# Altium PCB dvrk-s-pwm.PcbDoc (part 3 of 5)
Units mm, origin at the board's own origin, x right, y up, seen from the top; angles counter-clockwise.
Board outline 124 x 180 mm, 4 copper layers (Component Side, Ground Plane, Power Plane, Solder Side), stack 1.584 mm thick; 325 components, 238 nets, 1291 pads, 758 vias.
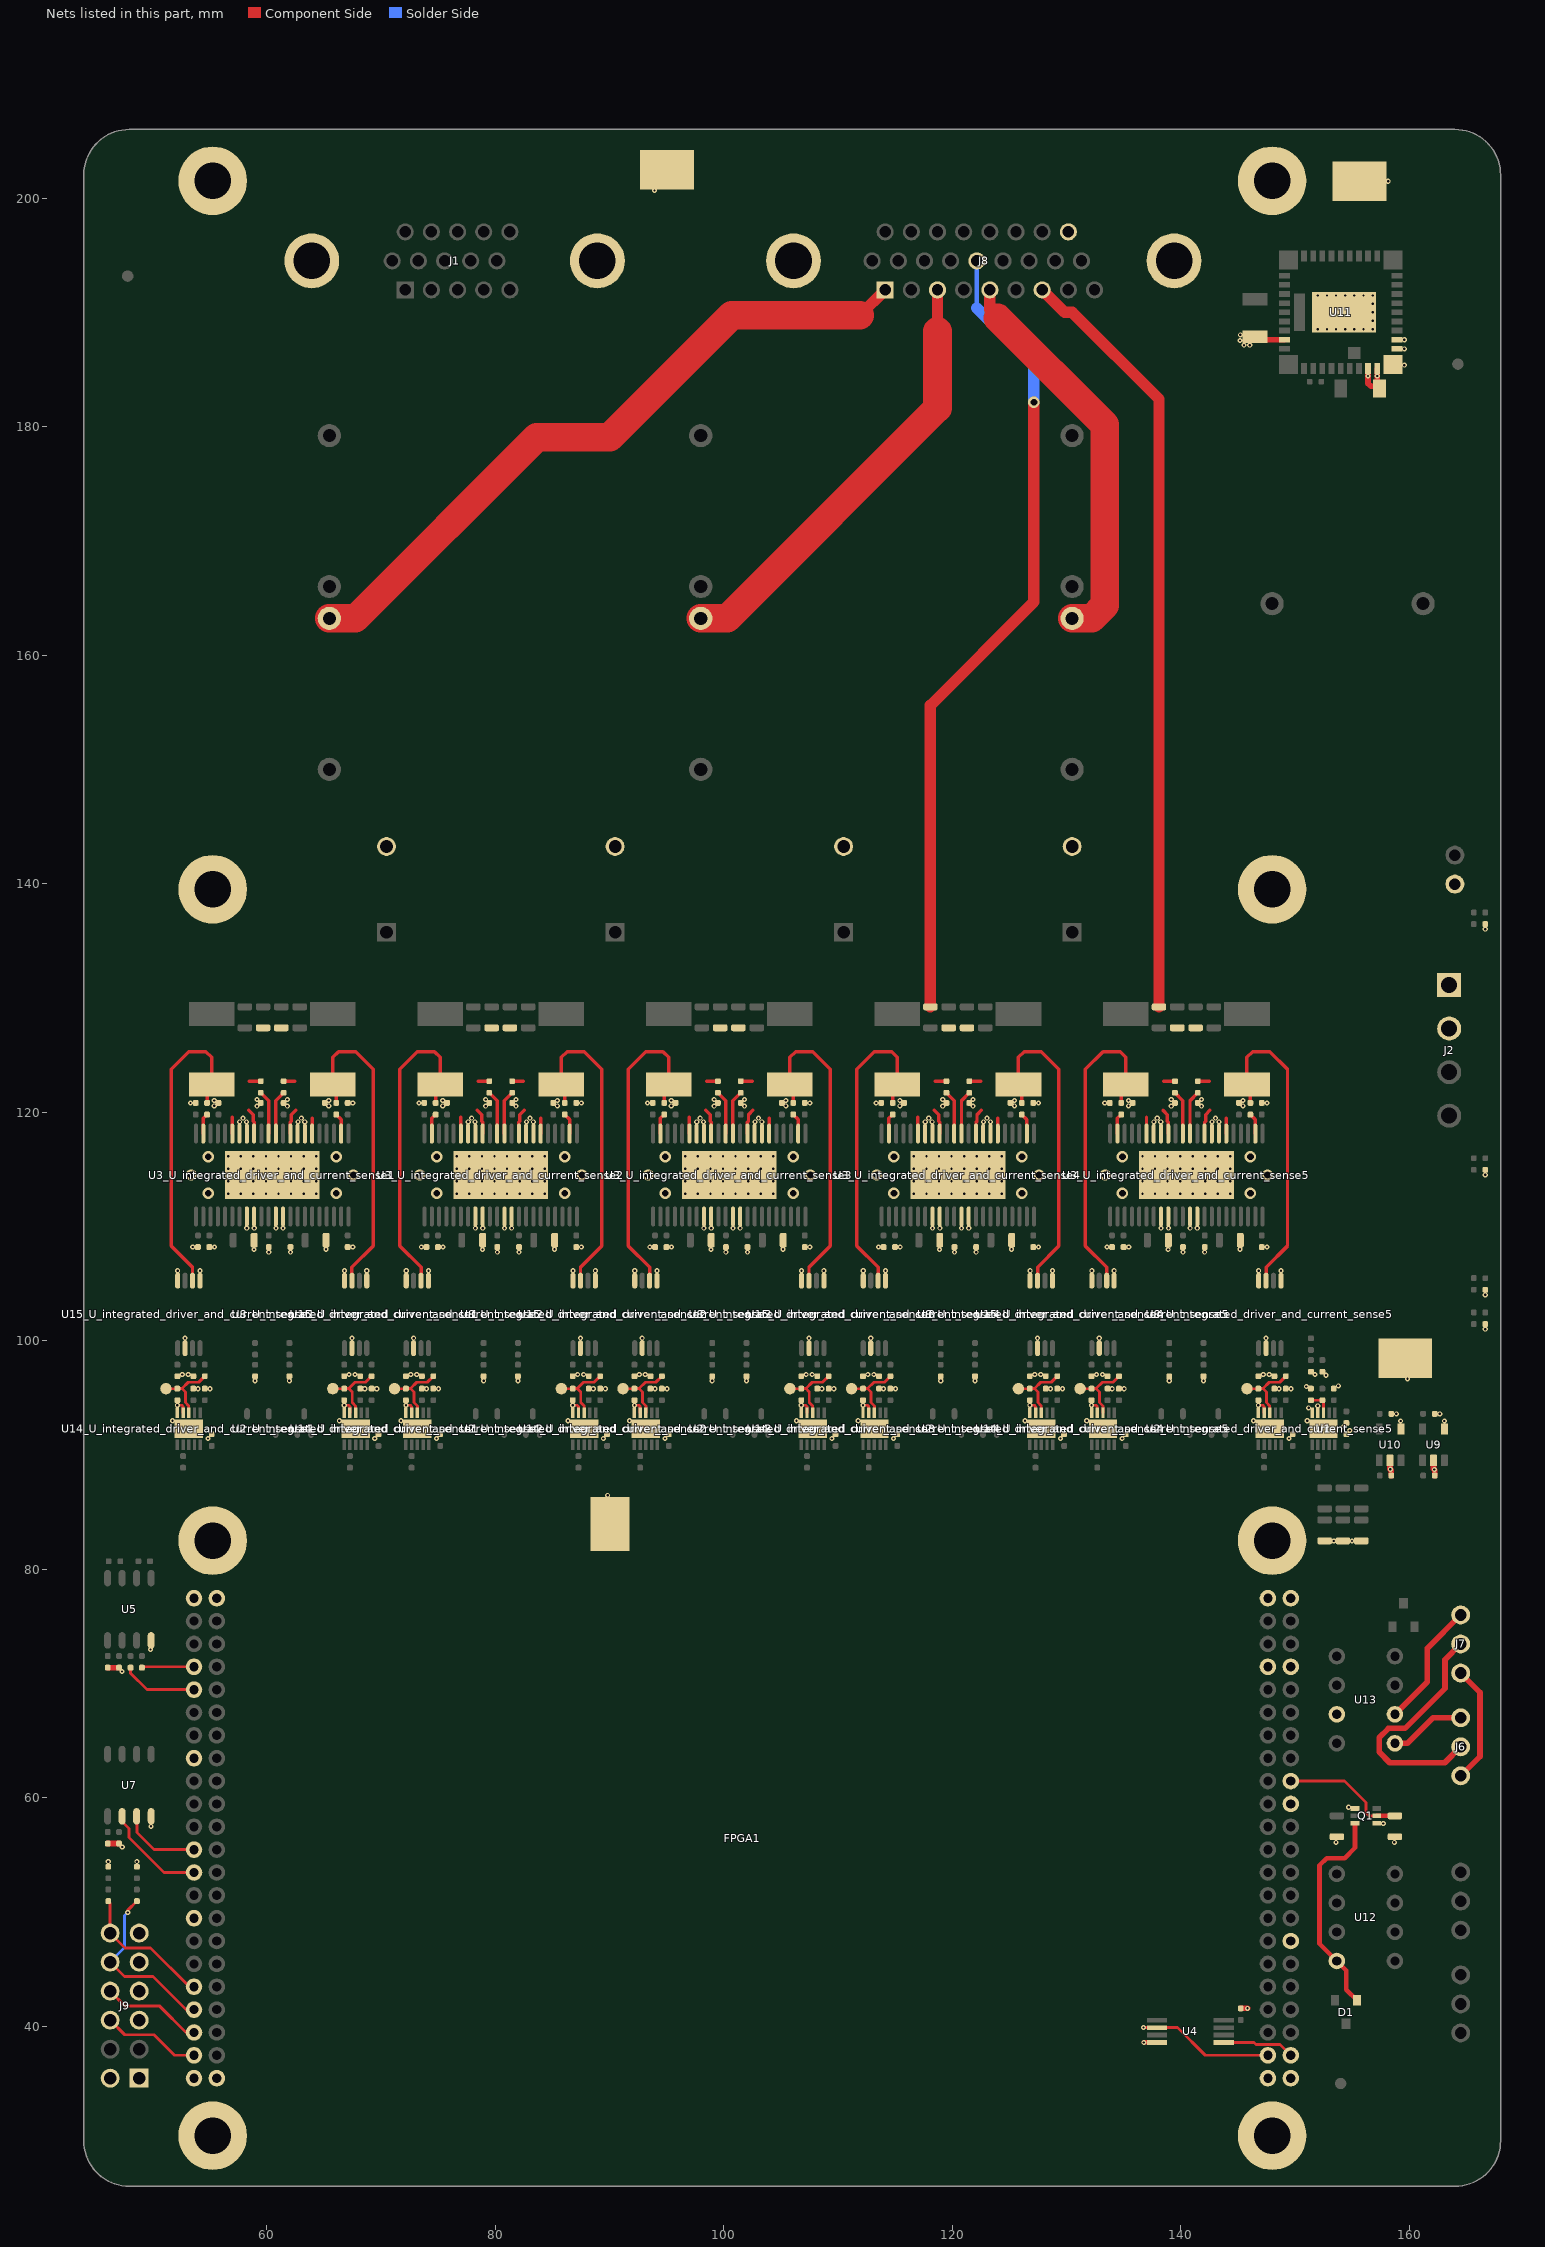
[diagram p5: the nets of this part, all layers, seen from the top]

## Via types
v1: diameter 0.45, hole 0.2, Component Side to Solder Side, tented both sides, 535 vias
v2: diameter 0.5, hole 0.2, Component Side to Solder Side, 186 vias
v3: diameter 1, hole 0.6, Component Side to Solder Side, tented both sides, 34 vias
v4: diameter 0.6, hole 0.3, Component Side to Solder Side, tented both sides, 3 vias

## Nets (pads, with @x,y where several pads share a name; then routed paths per layer and width w, separated by ;. In a path a pad name is that pad's centre, name@x,y a point inside that pad or via, vN(x,y) a via of type N, cw(c..) or ccw(c..) an arc to the next point about the centre after c; other vN are vias at no path point) (continued)
COIL2_P4: J8.14 L4_U_integrated_driver_and_current_sense4.2 | length 71.1
  Component Side w1: L4_U_integrated_driver_and_current_sense4.2@118.1,129.214 118.1,155.6 127.15,164.65 v3(127.15,182.125)
  Solder Side w0.4: 122.15,190.375 122.15,194.49 J8.14@122.16,194.5
  Solder Side w1: 122.15,190.375 127.15,185.375 v3(127.15,182.125)
COIL2_P5: J8.7 L4_U_integrated_driver_and_current_sense5.2 | length 67.4
  Component Side w1: J8.7@127.88,191.96 129.84,190 130.5,190 138.1,182.4 L4_U_integrated_driver_and_current_sense5.2@138.1,129.214
EXTRAIO1: FPGA1.47 J9.6 | length 8.6
  Component Side w0.25: J9.6@46.315,40.545 47.595,39.265 50.155,39.265 51.955,37.465 FPGA1.47@53.655,37.465
EXTRAIO2: FPGA1.49 J9.8 | length 8.8
  Component Side w0.25: J9.8@46.315,43.085 47.635,41.765 50.655,41.765 52.955,39.465 FPGA1.49@53.655,39.465
EXTRAIO3: FPGA1.51 J9.10 R33.2 | length 15.4
  Component Side w0.25: J9.10@46.315,45.625 47.575,44.365 50.055,44.365 52.955,41.465 FPGA1.51@53.655,41.465 ; v1(47.855,49.965) 47.855,50.157 R33.2@48.655,50.957
  Solder Side w0.25: J9.10@46.315,45.625 47.585,46.895 47.585,49.695 v1(47.855,49.965)
EXTRAIO4: FPGA1.53 J9.12 R34.2 | length 12.1
  Component Side w0.25: R34.2@46.155,50.957 46.315,50.797 J9.12@46.315,48.165 47.615,46.865 49.855,46.865 53.255,43.465 FPGA1.53@53.655,43.465
GND: C1.1 C2.1 C3.1 C4.1 C5_U_integrated_driver_and_current_sense1.1 C5_U_integrated_driver_and_current_sense2.1 C5_U_integrated_driver_and_current_sense3.1 C5_U_integrated_driver_and_current_sense4.1 C5_U_integrated_driver_and_current_sense5.1 C6_U_integrated_driver_and_current_sense1.1 C6_U_integrated_driver_and_current_sense2.1 C6_U_integrated_driver_and_current_sense3.1 C6_U_integrated_driver_and_current_sense4.1 C6_U_integrated_driver_and_current_sense5.1 C7_U_integrated_driver_and_current_sense1.1 C7_U_integrated_driver_and_current_sense2.1 C7_U_integrated_driver_and_current_sense3.1 C7_U_integrated_driver_and_current_sense4.1 C7_U_integrated_driver_and_current_sense5.1 C8_U_integrated_driver_and_current_sense1.1 C8_U_integrated_driver_and_current_sense2.1 C8_U_integrated_driver_and_current_sense3.1 C8_U_integrated_driver_and_current_sense4.1 C8_U_integrated_driver_and_current_sense5.1 C9_U_integrated_driver_and_current_sense1.1 C9_U_integrated_driver_and_current_sense2.1 C9_U_integrated_driver_and_current_sense3.1 C9_U_integrated_driver_and_current_sense4.1 C9_U_integrated_driver_and_current_sense5.1 C10_U_integrated_driver_and_current_sense1.1 C10_U_integrated_driver_and_current_sense2.1 C10_U_integrated_driver_and_current_sense3.1 C10_U_integrated_driver_and_current_sense4.1 C10_U_integrated_driver_and_current_sense5.1 C15_U_integrated_driver_and_current_sense1.2 C15_U_integrated_driver_and_current_sense2.2 C15_U_integrated_driver_and_current_sense3.2 C15_U_integrated_driver_and_current_sense4.2 C15_U_integrated_driver_and_current_sense5.2 C16_U_integrated_driver_and_current_sense1.2 C16_U_integrated_driver_and_current_sense2.2 C16_U_integrated_driver_and_current_sense3.2 C16_U_integrated_driver_and_current_sense4.2 C16_U_integrated_driver_and_current_sense5.2 C17_U_integrated_driver_and_current_sense1.2 C17_U_integrated_driver_and_current_sense2.2 C17_U_integrated_driver_and_current_sense3.2 C17_U_integrated_driver_and_current_sense4.2 C17_U_integrated_driver_and_current_sense5.2 C18_U_integrated_driver_and_current_sense1.2 C18_U_integrated_driver_and_current_sense2.2 C18_U_integrated_driver_and_current_sense3.2 C18_U_integrated_driver_and_current_sense4.2 C18_U_integrated_driver_and_current_sense5.2 C19_U_integrated_driver_and_current_sense1.2 C19_U_integrated_driver_and_current_sense2.2 C19_U_integrated_driver_and_current_sense3.2 C19_U_integrated_driver_and_current_sense4.2 C19_U_integrated_driver_and_current_sense5.2 C20_U_integrated_driver_and_current_sense1.2 C20_U_integrated_driver_and_current_sense2.2 C20_U_integrated_driver_and_current_sense3.2 C20_U_integrated_driver_and_current_sense4.2 C20_U_integrated_driver_and_current_sense5.2 C21_U_integrated_driver_and_current_sense1.2 C21_U_integrated_driver_and_current_sense2.2 C21_U_integrated_driver_and_current_sense3.2 C21_U_integrated_driver_and_current_sense4.2 C21_U_integrated_driver_and_current_sense5.2 C22_U_integrated_driver_and_current_sense1.2 C22_U_integrated_driver_and_current_sense2.2 C22_U_integrated_driver_and_current_sense3.2 C22_U_integrated_driver_and_current_sense4.2 C22_U_integrated_driver_and_current_sense5.2 C23_U_integrated_driver_and_current_sense1.2 C23_U_integrated_driver_and_current_sense2.2 C23_U_integrated_driver_and_current_sense3.2 C23_U_integrated_driver_and_current_sense4.2 C23_U_integrated_driver_and_current_sense5.2 C24_U_integrated_driver_and_current_sense1.2 C24_U_integrated_driver_and_current_sense2.2 C24_U_integrated_driver_and_current_sense3.2 C24_U_integrated_driver_and_current_sense4.2 C24_U_integrated_driver_and_current_sense5.2 C25.1 C26.1 C27.1 C28.1 C29_U_integrated_driver_and_current_sense1.1 C29_U_integrated_driver_and_current_sense2.1 C29_U_integrated_driver_and_current_sense3.1 C29_U_integrated_driver_and_current_sense4.1 C29_U_integrated_driver_and_current_sense5.1 C30_U_integrated_driver_and_current_sense1.1 C30_U_integrated_driver_and_current_sense2.1 C30_U_integrated_driver_and_current_sense3.1 C30_U_integrated_driver_and_current_sense4.1 C30_U_integrated_driver_and_current_sense5.1 C31.1 C32.1 C33.1 C34.1 C35.1 C36.2 C37.2 C38_U_integrated_driver_and_current_sense1.1 C38_U_integrated_driver_and_current_sense2.1 C38_U_integrated_driver_and_current_sense3.1 C38_U_integrated_driver_and_current_sense4.1 C38_U_integrated_driver_and_current_sense5.1 C39_U_integrated_driver_and_current_sense1.1 C39_U_integrated_driver_and_current_sense2.1 C39_U_integrated_driver_and_current_sense3.1 C39_U_integrated_driver_and_current_sense4.1 C39_U_integrated_driver_and_current_sense5.1 C40_U_integrated_driver_and_current_sense1.1 C40_U_integrated_driver_and_current_sense2.1 C40_U_integrated_driver_and_current_sense3.1 C40_U_integrated_driver_and_current_sense4.1 C40_U_integrated_driver_and_current_sense5.1 C41_U_integrated_driver_and_current_sense1.1 C41_U_integrated_driver_and_current_sense2.1 C41_U_integrated_driver_and_current_sense3.1 C41_U_integrated_driver_and_current_sense4.1 C41_U_integrated_driver_and_current_sense5.1 C42.2 C43.2 C44.2 C45.2 C46.1 D3_U_integrated_driver_and_current_sense1.2 D3_U_integrated_driver_and_current_sense2.2 D3_U_integrated_driver_and_current_sense3.2 D3_U_integrated_driver_and_current_sense4.2 D3_U_integrated_driver_and_current_sense5.2 D4_U_integrated_driver_and_current_sense1.2 D4_U_integrated_driver_and_current_sense2.2 D4_U_integrated_driver_and_current_sense3.2 D4_U_integrated_driver_and_current_sense4.2 D4_U_integrated_driver_and_current_sense5.2 D5.2 D6.2 D7.2 D8.2 D9.2 D10.2 FPGA1.1 FPGA1.2 FPGA1.14 FPGA1.26 FPGA1.37 FPGA1.38 FPGA1.43 FPGA1.44 FPGA1.45 FPGA1.46 FPGA1.59 FPGA1.73 FPGA1.87 FPGA1.88 J1.M1 J1.M2 J2.1 J2.2 J3.2 J8.26 J8.M1 J8.M2 J9.1 J9.2 J9.5 J9.7 J9.9 J9.11 pad.M Q1.1 Q1.4 R3_U_integrated_driver_and_current_sense1.2 R3_U_integrated_driver_and_current_sense2.2 R3_U_integrated_driver_and_current_sense3.2 R3_U_integrated_driver_and_current_sense4.2 R3_U_integrated_driver_and_current_sense5.2 R4_U_integrated_driver_and_current_sense1.1 R4_U_integrated_driver_and_current_sense2.1 R4_U_integrated_driver_and_current_sense3.1 R4_U_integrated_driver_and_current_sense4.1 R4_U_integrated_driver_and_current_sense5.1 R5_U_integrated_driver_and_current_sense1.1 R5_U_integrated_driver_and_current_sense2.1 R5_U_integrated_driver_and_current_sense3.1 R5_U_integrated_driver_and_current_sense4.1 R5_U_integrated_driver_and_current_sense5.1 R10.1 R12.1 R13.1 R19.1 R20.1 R21.1 TP1.1 TP2.1 TP3.1 TP4.1 U1.4 U1.5 U1.11 U2_U_integrated_driver_and_current_sense1.4 U2_U_integrated_driver_and_current_sense1.5 U2_U_integrated_driver_and_current_sense1.11 U2_U_integrated_driver_and_current_sense2.4 U2_U_integrated_driver_and_current_sense2.5 U2_U_integrated_driver_and_current_sense2.11 U2_U_integrated_driver_and_current_sense3.4 U2_U_integrated_driver_and_current_sense3.5 U2_U_integrated_driver_and_current_sense3.11 U2_U_integrated_driver_and_current_sense4.4 U2_U_integrated_driver_and_current_sense4.5 U2_U_integrated_driver_and_current_sense4.11 U2_U_integrated_driver_and_current_sense5.4 U2_U_integrated_driver_and_current_sense5.5 U2_U_integrated_driver_and_current_sense5.11 U3_U_integrated_driver_and_current_sense1.8 U3_U_integrated_driver_and_current_sense1.9 U3_U_integrated_driver_and_current_sense1.12 U3_U_integrated_driver_and_current_sense1.13 U3_U_integrated_driver_and_current_sense1.29 U3_U_integrated_driver_and_current_sense1.30 U3_U_integrated_driver_and_current_sense1.37 U3_U_integrated_driver_and_current_sense1.38 U3_U_integrated_driver_and_current_sense1.45 U3_U_integrated_driver_and_current_sense2.8 U3_U_integrated_driver_and_current_sense2.9 U3_U_integrated_driver_and_current_sense2.12 U3_U_integrated_driver_and_current_sense2.13 U3_U_integrated_driver_and_current_sense2.29 U3_U_integrated_driver_and_current_sense2.30 U3_U_integrated_driver_and_current_sense2.37 U3_U_integrated_driver_and_current_sense2.38 U3_U_integrated_driver_and_current_sense2.45 U3_U_integrated_driver_and_current_sense3.8 U3_U_integrated_driver_and_current_sense3.9 U3_U_integrated_driver_and_current_sense3.12 U3_U_integrated_driver_and_current_sense3.13 U3_U_integrated_driver_and_current_sense3.29 U3_U_integrated_driver_and_current_sense3.30 U3_U_integrated_driver_and_current_sense3.37 U3_U_integrated_driver_and_current_sense3.38 U3_U_integrated_driver_and_current_sense3.45 U3_U_integrated_driver_and_current_sense4.8 U3_U_integrated_driver_and_current_sense4.9 U3_U_integrated_driver_and_current_sense4.12 U3_U_integrated_driver_and_current_sense4.13 U3_U_integrated_driver_and_current_sense4.29 U3_U_integrated_driver_and_current_sense4.30 U3_U_integrated_driver_and_current_sense4.37 U3_U_integrated_driver_and_current_sense4.38 U3_U_integrated_driver_and_current_sense4.45 U3_U_integrated_driver_and_current_sense5.8 U3_U_integrated_driver_and_current_sense5.9 U3_U_integrated_driver_and_current_sense5.12 U3_U_integrated_driver_and_current_sense5.13 U3_U_integrated_driver_and_current_sense5.29 U3_U_integrated_driver_and_current_sense5.30 U3_U_integrated_driver_and_current_sense5.37 U3_U_integrated_driver_and_current_sense5.38 U3_U_integrated_driver_and_current_sense5.45 U4.4 U5.4 U7.4 U8_U_integrated_driver_and_current_sense1.1 U8_U_integrated_driver_and_current_sense1.4 U8_U_integrated_driver_and_current_sense1.6 U8_U_integrated_driver_and_current_sense2.1 U8_U_integrated_driver_and_current_sense2.4 U8_U_integrated_driver_and_current_sense2.6 U8_U_integrated_driver_and_current_sense3.1 U8_U_integrated_driver_and_current_sense3.4 U8_U_integrated_driver_and_current_sense3.6 U8_U_integrated_driver_and_current_sense4.1 U8_U_integrated_driver_and_current_sense4.4 U8_U_integrated_driver_and_current_sense4.6 U8_U_integrated_driver_and_current_sense5.1 U8_U_integrated_driver_and_current_sense5.4 U8_U_integrated_driver_and_current_sense5.6 U9.2 U9.4 U10.2 U10.4 U11.19 U11.29 U11.30 U11.31 U11.32 U11.33 U11.41 U13.3 U14_U_integrated_driver_and_current_sense1.4 U14_U_integrated_driver_and_current_sense1.5 U14_U_integrated_driver_and_current_sense1.11 U14_U_integrated_driver_and_current_sense2.4 U14_U_integrated_driver_and_current_sense2.5 U14_U_integrated_driver_and_current_sense2.11 U14_U_integrated_driver_and_current_sense3.4 U14_U_integrated_driver_and_current_sense3.5 U14_U_integrated_driver_and_current_sense3.11 U14_U_integrated_driver_and_current_sense4.4 U14_U_integrated_driver_and_current_sense4.5 U14_U_integrated_driver_and_current_sense4.11 U14_U_integrated_driver_and_current_sense5.4 U14_U_integrated_driver_and_current_sense5.5 U14_U_integrated_driver_and_current_sense5.11 U15_U_integrated_driver_and_current_sense1.1 U15_U_integrated_driver_and_current_sense1.4 U15_U_integrated_driver_and_current_sense1.6 U15_U_integrated_driver_and_current_sense2.1 U15_U_integrated_driver_and_current_sense2.4 U15_U_integrated_driver_and_current_sense2.6 U15_U_integrated_driver_and_current_sense3.1 U15_U_integrated_driver_and_current_sense3.4 U15_U_integrated_driver_and_current_sense3.6 U15_U_integrated_driver_and_current_sense4.1 U15_U_integrated_driver_and_current_sense4.4 U15_U_integrated_driver_and_current_sense4.6 U15_U_integrated_driver_and_current_sense5.1 U15_U_integrated_driver_and_current_sense5.4 U15_U_integrated_driver_and_current_sense5.6 | length 24
  Component Side w0.25: v1(52.2,94.35) 52.581,94.35 52.7,94.231 U14_U_integrated_driver_and_current_sense1.4@52.7,93.702 ; v1(66.8,94.35) 67.181,94.35 67.3,94.231 U2_U_integrated_driver_and_current_sense1.4@67.3,93.702 ; v1(72.2,94.35) 72.581,94.35 72.7,94.231 U14_U_integrated_driver_and_current_sense2.4@72.7,93.702 ; v1(86.8,94.35) 87.181,94.35 87.3,94.231 U2_U_integrated_driver_and_current_sense2.4@87.3,93.702 ; v1(92.2,94.35) 92.581,94.35 92.7,94.231 U14_U_integrated_driver_and_current_sense3.4@92.7,93.702 ; v1(106.8,94.35) 107.181,94.35 107.3,94.231 U2_U_integrated_driver_and_current_sense3.4@107.3,93.702 ; v1(112.2,94.35) 112.581,94.35 112.7,94.231 U14_U_integrated_driver_and_current_sense4.4@112.7,93.702 ; v1(126.8,94.35) 127.181,94.35 127.3,94.231 U2_U_integrated_driver_and_current_sense4.4@127.3,93.702 ; v1(132.2,94.35) 132.581,94.35 132.7,94.231 U14_U_integrated_driver_and_current_sense5.4@132.7,93.702 ; v1(146.8,94.35) 147.181,94.35 147.3,94.231 U2_U_integrated_driver_and_current_sense5.4@147.3,93.702
  Component Side w0.4: v1(136.78,38.59) U4.4@137.934,38.59
  Component Side w0.5: C27.1@46.1,55.992 C28.1@47.1,55.992 ; C26.1@46.1,71.392 C25.1@47.1,71.392 ; C46.1@145.255,41.573 v1(145.847,41.573) ; C37.2@146.5,187.85 146.75,187.6 U11.19@149.075,187.6 ; U11.29@156.4,185.075 156.4,183.775 156.65,183.525 C36.2@157.2,183.525 ; U11.30@157.2,185.075 C36.2@157.2,183.525 ; C36.2@157.4,183.325 C36.2@157.2,183.525 ; U10.2@158.325,89.525 158.325,88.775 v1(158.35,88.75) 158.433,88.667 C34.1@158.433,88.2 ; U9.2@162.125,89.525 162.125,88.8 v1(162.2,88.725) 162.233,88.692 C32.1@162.233,88.2
  other v1: 46.155,54.415 48.655,54.415 47.375,55.7 153.6,56.1 158.7,56.1 49.9,57.5 157.725,57.75 154.7,59.175 47.35,71.05 49.85,72.975 153.4,82.475 155,82.475 89.855,86.465 54.875,91.45 69.475,91.45 74.875,91.45 89.475,91.45 94.875,91.45 109.475,91.45 114.875,91.45 129.475,91.45 134.875,91.45 149.475,91.45 154.8,92.15 154.2,92.45 159.25,92.975 163.075,92.975 51.775,93 66.375,93 71.775,93 86.375,93 91.775,93 106.375,93 111.775,93 126.375,93 131.775,93 146.375,93 151.075,93 158.875,93.6 162.675,93.6 151.2,94.125 152,94.3 54,95.8 55.05,95.8 68.6,95.8 69.65,95.8 74,95.8 75.05,95.8 88.6,95.8 89.65,95.8 94,95.8 95.05,95.8 108.6,95.8 109.65,95.8 114,95.8 115.05,95.8 128.6,95.8 129.65,95.8 134,95.8 135.05,95.8 148.6,95.8 149.65,95.8 151,96 153.8,96.05 59,96.5 62,96.5 79,96.5 82,96.5 99,96.5 102,96.5 119,96.5 122,96.5 139,96.5 142,96.5 159.855,96.665 152.725,96.975 52.625,97.05 53.15,97.05 67.225,97.05 67.75,97.05 72.625,97.05 73.15,97.05 87.225,97.05 87.75,97.05 92.625,97.05 93.15,97.05 107.225,97.05 107.75,97.05 112.625,97.05 113.15,97.05 127.225,97.05 127.75,97.05 132.625,97.05 133.15,97.05 147.225,97.05 147.75,97.05 151.75,97.05 52.875,100.225 67.475,100.225 72.875,100.225 87.475,100.225 92.875,100.225 107.475,100.225 112.875,100.225 127.475,100.225 132.875,100.225 147.475,100.225 166.655,101.015 166.655,104.015 52.225,106.125 54.175,106.125 66.825,106.125 68.775,106.125 72.225,106.125 74.175,106.125 86.825,106.125 88.775,106.125 92.225,106.125 94.175,106.125 106.825,106.125 108.775,106.125 112.225,106.125 114.175,106.125 126.825,106.125 128.775,106.125 132.225,106.125 134.175,106.125 146.825,106.125 148.775,106.125 60.2,107.75 62.1,107.75 80.2,107.75 82.1,107.75 100.2,107.75 102.1,107.75 120.2,107.75 122.1,107.75 140.2,107.75 142.1,107.75 58.9,107.975 78.9,107.975 98.9,107.975 118.9,107.975 138.9,107.975 65.2,108 85.2,108 105.2,108 125.2,108 145.2,108 53.55,108.2 55.45,108.2 67.55,108.2 73.55,108.2 75.45,108.2 87.55,108.2 93.55,108.2 95.45,108.2 107.55,108.2 113.55,108.2 115.45,108.2 127.55,108.2 133.55,108.2 135.45,108.2 147.55,108.2 58.275,109.85 58.925,109.85 60.825,109.85 61.45,109.85 78.275,109.85 78.925,109.85 80.825,109.85 81.45,109.85 98.275,109.85 98.925,109.85 100.825,109.85 101.45,109.85 118.275,109.85 118.925,109.85 120.825,109.85 121.45,109.85 138.275,109.85 138.925,109.85 140.825,109.85 141.45,109.85 166.655,114.515 57.65,119.15 58.25,119.15 62.75,119.15 63.35,119.15 77.65,119.15 78.25,119.15 82.75,119.15 83.35,119.15 97.65,119.15 98.25,119.15 102.75,119.15 103.35,119.15 117.65,119.15 118.25,119.15 122.75,119.15 123.35,119.15 137.65,119.15 138.25,119.15 142.75,119.15 143.35,119.15 57.95,119.475 63.05,119.475 77.95,119.475 83.05,119.475 97.95,119.475 103.05,119.475 117.95,119.475 123.05,119.475 137.95,119.475 143.05,119.475 59.175,120.525 61.825,120.525 79.175,120.525 81.825,120.525 99.175,120.525 101.825,120.525 119.175,120.525 121.825,120.525 139.175,120.525 141.825,120.525 55.425,120.55 65.45,120.55 75.425,120.55 85.45,120.55 95.425,120.55 105.45,120.55 115.425,120.55 125.45,120.55 135.425,120.55 145.45,120.55 53.35,120.8 67.55,120.8 73.35,120.8 87.55,120.8 93.35,120.8 107.55,120.8 113.35,120.8 127.55,120.8 133.35,120.8 147.55,120.8 55.425,121.025 65.45,121.025 75.425,121.025 85.45,121.025 95.425,121.025 105.45,121.025 115.425,121.025 125.45,121.025 135.425,121.025 145.45,121.025 59.175,121.1 61.825,121.1 79.175,121.1 81.825,121.1 99.175,121.1 101.825,121.1 119.175,121.1 121.825,121.1 139.175,121.1 141.825,121.1 166.655,136.015 156.4,184.425 157.2,184.425 159.575,185.375 159.575,186.8 145.55,187.125 146.05,187.125 145.2,187.525 159.575,187.6 145.225,188.025 93.955,200.665 158.155,201.465
  other v2: 56.65,112.85 57.75,112.85 58.85,112.85 59.95,112.85 61.05,112.85 62.15,112.85 63.25,112.85 64.35,112.85 76.65,112.85 77.75,112.85 78.85,112.85 79.95,112.85 81.05,112.85 82.15,112.85 83.25,112.85 84.35,112.85 96.65,112.85 97.75,112.85 98.85,112.85 99.95,112.85 101.05,112.85 102.15,112.85 103.25,112.85 104.35,112.85 116.65,112.85 117.75,112.85 118.85,112.85 119.95,112.85 121.05,112.85 122.15,112.85 123.25,112.85 124.35,112.85 136.65,112.85 137.75,112.85 138.85,112.85 139.95,112.85 141.05,112.85 142.15,112.85 143.25,112.85 144.35,112.85 56.65,113.95 57.75,113.95 58.85,113.95 59.95,113.95 61.05,113.95 62.15,113.95 63.25,113.95 64.35,113.95 76.65,113.95 77.75,113.95 78.85,113.95 79.95,113.95 81.05,113.95 82.15,113.95 83.25,113.95 84.35,113.95 96.65,113.95 97.75,113.95 98.85,113.95 99.95,113.95 101.05,113.95 102.15,113.95 103.25,113.95 104.35,113.95 116.65,113.95 117.75,113.95 118.85,113.95 119.95,113.95 121.05,113.95 122.15,113.95 123.25,113.95 124.35,113.95 136.65,113.95 137.75,113.95 138.85,113.95 139.95,113.95 141.05,113.95 142.15,113.95 143.25,113.95 144.35,113.95 56.65,115.05 57.75,115.05 58.85,115.05 59.95,115.05 61.05,115.05 62.15,115.05 63.25,115.05 64.35,115.05 76.65,115.05 77.75,115.05 78.85,115.05 79.95,115.05 81.05,115.05 82.15,115.05 83.25,115.05 84.35,115.05 96.65,115.05 97.75,115.05 98.85,115.05 99.95,115.05 101.05,115.05 102.15,115.05 103.25,115.05 104.35,115.05 116.65,115.05 117.75,115.05 118.85,115.05 119.95,115.05 121.05,115.05 122.15,115.05 123.25,115.05 124.35,115.05 136.65,115.05 137.75,115.05 138.85,115.05 139.95,115.05 141.05,115.05 142.15,115.05 143.25,115.05 144.35,115.05 56.65,116.15 57.75,116.15 58.85,116.15 59.95,116.15 61.05,116.15 62.15,116.15 63.25,116.15 64.35,116.15 76.65,116.15 77.75,116.15 78.85,116.15 79.95,116.15 81.05,116.15 82.15,116.15 83.25,116.15 84.35,116.15 96.65,116.15 97.75,116.15 98.85,116.15 99.95,116.15 101.05,116.15 102.15,116.15 103.25,116.15 104.35,116.15 116.65,116.15 117.75,116.15 118.85,116.15 119.95,116.15 121.05,116.15 122.15,116.15 123.25,116.15 124.35,116.15 136.65,116.15 137.75,116.15 138.85,116.15 139.95,116.15 141.05,116.15 142.15,116.15 143.25,116.15 144.35,116.15 152,188.525 152.8,188.525 153.6,188.525 154.4,188.525 155.2,188.525 156,188.525 156.8,188.525 156.8,189.26 156.8,190 156.8,190.74 152,191.475 152.8,191.475 153.6,191.475 154.4,191.475 155.2,191.475 156,191.475 156.8,191.475
  other v3: 54.9,112.9 66.1,112.9 74.9,112.9 86.1,112.9 94.9,112.9 106.1,112.9 114.9,112.9 126.1,112.9 134.9,112.9 146.1,112.9 53.4,114.5 67.6,114.5 73.4,114.5 87.6,114.5 93.4,114.5 107.6,114.5 113.4,114.5 127.6,114.5 133.4,114.5 147.6,114.5 54.9,116.1 66.1,116.1 74.9,116.1 86.1,116.1 94.9,116.1 106.1,116.1 114.9,116.1 126.1,116.1 134.9,116.1 146.1,116.1
L1A: J6.1 U13.5 | length 6.7
  Component Side w0.5: U13.5@158.75,64.77 159.845,64.77 162.075,67 J6.1@164.5,67
L1B: J7.1 U13.6 | length 11.1
  Component Side w0.5: U13.6@158.75,67.31 161.575,70.135 161.575,73.075 J7.1@164.5,76
L2: J6.2 J7.2 | length 21.3
  Component Side w0.5: J6.2@164.5,64.46 163.115,63.075 158.3,63.075 157.375,64 157.375,65.275 158.175,66.075 159.625,66.075 163.125,69.575 163.125,72.085 J7.2@164.5,73.46
L3: J6.3 J7.3 | length 10.4
  Component Side w0.5: J6.3@164.5,61.92 166.2,63.62 166.2,69.22 J7.3@164.5,70.92
LVDS_RCLK: FPGA1.81 R15.1 | length 4.6
  Component Side w0.25: R15.1@49.1,71.392 49.173,71.465 FPGA1.81@53.655,71.465
LVDS_RDAT: FPGA1.79 R14.1 | length 6.6
  Component Side w0.25: R14.1@48.1,71.392 48.1,70.9 49.535,69.465 FPGA1.79@53.655,69.465
LVDS_TCLK: FPGA1.63 U7.2 | length 9.1
  Component Side w0.25: U7.2@47.365,58.375 47.365,57.93 47.98,57.315 47.98,56.515 51.03,53.465 FPGA1.63@53.655,53.465
LVDS_TDAT: FPGA1.65 U7.3 | length 7
  Component Side w0.25: U7.3@48.635,58.375 48.655,58.355 48.655,56.965 50.155,55.465 FPGA1.65@53.655,55.465
MISO_EEPROM: FPGA1.3 U4.2 | length 11.9
  Component Side w0.25: v1(136.75,39.9) 137.924,39.9 U4.2@137.934,39.89 139.73,39.89 142.155,37.465 FPGA1.3@147.635,37.465
MOSI_EEPROM: FPGA1.4 U4.5 | length 6.3
  Component Side w0.25: U4.5@143.776,38.59 146.41,38.59 146.586,38.414 148.686,38.414 FPGA1.4@149.635,37.465
MOTOR1: J8.1 L5.2 | length 60.5
  Component Side w1: 111.93,189.75 J8.1@114.14,191.96
  Component Side w2.5: L5.2@65.5,163.208 67.783,163.208 83.652,179.077 90.052,179.077 100.725,189.75 111.93,189.75
MOTOR2: J8.3 L7.2 | length 38.7
  Component Side w1: 118.72,188.33 J8.3@118.72,191.96
  Component Side w2.5: L7.2@98,163.208 100.308,163.208 118.72,181.62 118.72,188.33
MOTOR3: J8.5 L9.2 | length 35.1
  Component Side w1: J8.5@123.3,191.96 123.3,190.2 124,189.5
  Component Side w2.5: 124,189.5 133.348,180.152 133.348,164.348 132.208,163.208 L9.2@130.5,163.208
MOTOR_POWER_EN: FPGA1.28 Q1.5 R12.2 | length 10.9
  Component Side w0.25: FPGA1.28@149.635,61.465 154.333,61.465 156.21,59.588 156.21,58.69 156.48,58.42 Q1.5@157.162,58.42
  Component Side w0.4: Q1.5@157.162,58.42 R12.2@158.75,58.42
NetC3_2: C3.2 R1.1 U1.3 | length 2.1
  Component Side w0.25: C3.2@151.4,94.792 R1.1@152.4,94.792 152.5,94.692 U1.3@152.5,93.702
NetC8_U_integrated_driver_and_current_sense1_2: C8_U_integrated_driver_and_current_sense1.2 pad.0@65.8,95.8 R23_U_integrated_driver_and_current_sense1.1 U2_U_integrated_driver_and_current_sense1.3 | length 6.2
  Component Side w0.25: pad.0@65.8,95.8 C8_U_integrated_driver_and_current_sense1.2@66.792,95.8 ; C8_U_integrated_driver_and_current_sense1.2@66.8,95.808 67.2,95.808 ; U2_U_integrated_driver_and_current_sense1.3@67.8,93.702 67.8,94.3 67.5,94.6 67.5,95.508 67.2,95.808 ; R23_U_integrated_driver_and_current_sense1.1@69.2,96.892 68.669,96.361 67.753,96.361 67.2,95.808
NetC8_U_integrated_driver_and_current_sense2_2: C8_U_integrated_driver_and_current_sense2.2 pad.0@85.8,95.8 R23_U_integrated_driver_and_current_sense2.1 U2_U_integrated_driver_and_current_sense2.3 | length 6.2
  Component Side w0.25: pad.0@85.8,95.8 C8_U_integrated_driver_and_current_sense2.2@86.792,95.8 ; C8_U_integrated_driver_and_current_sense2.2@86.8,95.808 87.2,95.808 ; U2_U_integrated_driver_and_current_sense2.3@87.8,93.702 87.8,94.3 87.5,94.6 87.5,95.508 87.2,95.808 ; R23_U_integrated_driver_and_current_sense2.1@89.2,96.892 88.669,96.361 87.753,96.361 87.2,95.808
NetC8_U_integrated_driver_and_current_sense3_2: C8_U_integrated_driver_and_current_sense3.2 pad.0@105.8,95.8 R23_U_integrated_driver_and_current_sense3.1 U2_U_integrated_driver_and_current_sense3.3 | length 6.2
  Component Side w0.25: pad.0@105.8,95.8 C8_U_integrated_driver_and_current_sense3.2@106.792,95.8 ; C8_U_integrated_driver_and_current_sense3.2@106.8,95.808 107.2,95.808 ; U2_U_integrated_driver_and_current_sense3.3@107.8,93.702 107.8,94.3 107.5,94.6 107.5,95.508 107.2,95.808 ; R23_U_integrated_driver_and_current_sense3.1@109.2,96.892 108.669,96.361 107.753,96.361 107.2,95.808
NetC8_U_integrated_driver_and_current_sense4_2: C8_U_integrated_driver_and_current_sense4.2 pad.0@125.8,95.8 R23_U_integrated_driver_and_current_sense4.1 U2_U_integrated_driver_and_current_sense4.3 | length 6.2
  Component Side w0.25: pad.0@125.8,95.8 C8_U_integrated_driver_and_current_sense4.2@126.792,95.8 ; C8_U_integrated_driver_and_current_sense4.2@126.8,95.808 127.2,95.808 ; U2_U_integrated_driver_and_current_sense4.3@127.8,93.702 127.8,94.3 127.5,94.6 127.5,95.508 127.2,95.808 ; R23_U_integrated_driver_and_current_sense4.1@129.2,96.892 128.669,96.361 127.753,96.361 127.2,95.808
NetC8_U_integrated_driver_and_current_sense5_2: C8_U_integrated_driver_and_current_sense5.2 pad.0@145.8,95.8 R23_U_integrated_driver_and_current_sense5.1 U2_U_integrated_driver_and_current_sense5.3 | length 6.2
  Component Side w0.25: pad.0@145.8,95.8 C8_U_integrated_driver_and_current_sense5.2@146.792,95.8 ; C8_U_integrated_driver_and_current_sense5.2@146.8,95.808 147.2,95.808 ; U2_U_integrated_driver_and_current_sense5.3@147.8,93.702 147.8,94.3 147.5,94.6 147.5,95.508 147.2,95.808 ; R23_U_integrated_driver_and_current_sense5.1@149.2,96.892 148.669,96.361 147.753,96.361 147.2,95.808
NetC11_U_integrated_driver_and_current_sense1_1: C11_U_integrated_driver_and_current_sense1.1 R8_U_integrated_driver_and_current_sense1.1 U3_U_integrated_driver_and_current_sense1.28 U8_U_integrated_driver_and_current_sense1.3 | length 30.3
  Component Side w0.3: U3_U_integrated_driver_and_current_sense1.28@63.993,118.125 63.993,119.493 ; C11_U_integrated_driver_and_current_sense1.1@66.1,120.808 66.1,122.1 R8_U_integrated_driver_and_current_sense1.1@65.8,122.4 65.8,124.8 66.3,125.3 67.8,125.3 69.348,123.752 69.348,108.287 67.475,106.414 U8_U_integrated_driver_and_current_sense1.3@67.475,105.25 67.475,106.425
NetC11_U_integrated_driver_and_current_sense1_2: C11_U_integrated_driver_and_current_sense1.2 U3_U_integrated_driver_and_current_sense1.24 | length 1.8
  Component Side w0.3: C11_U_integrated_driver_and_current_sense1.2@66.1,119.792 66.533,119.359 U3_U_integrated_driver_and_current_sense1.24@66.533,118.125
NetC11_U_integrated_driver_and_current_sense2_1: C11_U_integrated_driver_and_current_sense2.1 R8_U_integrated_driver_and_current_sense2.1 U3_U_integrated_driver_and_current_sense2.28 U8_U_integrated_driver_and_current_sense2.3 | length 30.3
  Component Side w0.3: U3_U_integrated_driver_and_current_sense2.28@83.992,118.125 83.993,119.493 ; C11_U_integrated_driver_and_current_sense2.1@86.1,120.808 86.1,122.1 R8_U_integrated_driver_and_current_sense2.1@85.8,122.4 85.8,124.8 86.3,125.3 87.8,125.3 89.348,123.752 89.348,108.287 87.475,106.414 U8_U_integrated_driver_and_current_sense2.3@87.475,105.25 87.475,106.425
NetC11_U_integrated_driver_and_current_sense2_2: C11_U_integrated_driver_and_current_sense2.2 U3_U_integrated_driver_and_current_sense2.24 | length 1.8
  Component Side w0.3: C11_U_integrated_driver_and_current_sense2.2@86.1,119.792 86.533,119.359 U3_U_integrated_driver_and_current_sense2.24@86.532,118.125
NetC11_U_integrated_driver_and_current_sense3_1: C11_U_integrated_driver_and_current_sense3.1 R8_U_integrated_driver_and_current_sense3.1 U3_U_integrated_driver_and_current_sense3.28 U8_U_integrated_driver_and_current_sense3.3 | length 30.3
  Component Side w0.3: U3_U_integrated_driver_and_current_sense3.28@103.992,118.125 103.993,119.493 ; C11_U_integrated_driver_and_current_sense3.1@106.1,120.808 106.1,122.1 R8_U_integrated_driver_and_current_sense3.1@105.8,122.4 105.8,124.8 106.3,125.3 107.8,125.3 109.348,123.752 109.348,108.287 107.475,106.414 U8_U_integrated_driver_and_current_sense3.3@107.475,105.25 107.475,106.425
NetC11_U_integrated_driver_and_current_sense3_2: C11_U_integrated_driver_and_current_sense3.2 U3_U_integrated_driver_and_current_sense3.24 | length 1.8
  Component Side w0.3: C11_U_integrated_driver_and_current_sense3.2@106.1,119.792 106.533,119.359 U3_U_integrated_driver_and_current_sense3.24@106.532,118.125
NetC11_U_integrated_driver_and_current_sense4_1: C11_U_integrated_driver_and_current_sense4.1 R8_U_integrated_driver_and_current_sense4.1 U3_U_integrated_driver_and_current_sense4.28 U8_U_integrated_driver_and_current_sense4.3 | length 30.3
  Component Side w0.3: U3_U_integrated_driver_and_current_sense4.28@123.992,118.125 123.993,119.493 ; C11_U_integrated_driver_and_current_sense4.1@126.1,120.808 126.1,122.1 R8_U_integrated_driver_and_current_sense4.1@125.8,122.4 125.8,124.8 126.3,125.3 127.8,125.3 129.348,123.752 129.348,108.287 127.475,106.414 U8_U_integrated_driver_and_current_sense4.3@127.475,105.25 127.475,106.425
NetC11_U_integrated_driver_and_current_sense4_2: C11_U_integrated_driver_and_current_sense4.2 U3_U_integrated_driver_and_current_sense4.24 | length 1.8
  Component Side w0.3: C11_U_integrated_driver_and_current_sense4.2@126.1,119.792 126.533,119.359 U3_U_integrated_driver_and_current_sense4.24@126.532,118.125
NetC11_U_integrated_driver_and_current_sense5_1: C11_U_integrated_driver_and_current_sense5.1 R8_U_integrated_driver_and_current_sense5.1 U3_U_integrated_driver_and_current_sense5.28 U8_U_integrated_driver_and_current_sense5.3 | length 30.3
  Component Side w0.3: U3_U_integrated_driver_and_current_sense5.28@143.992,118.125 143.993,119.493 ; C11_U_integrated_driver_and_current_sense5.1@146.1,120.808 146.1,122.1 R8_U_integrated_driver_and_current_sense5.1@145.8,122.4 145.8,124.8 146.3,125.3 147.8,125.3 149.348,123.752 149.348,108.287 147.475,106.414 U8_U_integrated_driver_and_current_sense5.3@147.475,105.25 147.475,106.425
NetC11_U_integrated_driver_and_current_sense5_2: C11_U_integrated_driver_and_current_sense5.2 U3_U_integrated_driver_and_current_sense5.24 | length 1.8
  Component Side w0.3: C11_U_integrated_driver_and_current_sense5.2@146.1,119.792 146.533,119.359 U3_U_integrated_driver_and_current_sense5.24@146.532,118.125
NetC12_U_integrated_driver_and_current_sense1_1: C12_U_integrated_driver_and_current_sense1.1 L2_U_integrated_driver_and_current_sense1.1 U3_U_integrated_driver_and_current_sense1.31 | length 3.2
  Component Side w0.3: C12_U_integrated_driver_and_current_sense1.1@61.5,122.708 62.492,122.708 ; U3_U_integrated_driver_and_current_sense1.31@62.088,118.125 62.088,119.1 62.177,119.19 62.177,119.777 62.55,120.15
NetC12_U_integrated_driver_and_current_sense1_2: C12_U_integrated_driver_and_current_sense1.2 U3_U_integrated_driver_and_current_sense1.33 | length 3.8
  Component Side w0.3: U3_U_integrated_driver_and_current_sense1.33@60.818,118.125 60.818,121.009 C12_U_integrated_driver_and_current_sense1.2@61.5,121.692
NetC12_U_integrated_driver_and_current_sense2_1: C12_U_integrated_driver_and_current_sense2.1 L2_U_integrated_driver_and_current_sense2.1 U3_U_integrated_driver_and_current_sense2.31 | length 3.2
  Component Side w0.3: C12_U_integrated_driver_and_current_sense2.1@81.5,122.708 82.492,122.708 ; U3_U_integrated_driver_and_current_sense2.31@82.087,118.125 82.088,119.1 82.177,119.19 82.177,119.777 82.55,120.15
NetC12_U_integrated_driver_and_current_sense2_2: C12_U_integrated_driver_and_current_sense2.2 U3_U_integrated_driver_and_current_sense2.33 | length 3.8
  Component Side w0.3: U3_U_integrated_driver_and_current_sense2.33@80.817,118.125 80.818,121.009 C12_U_integrated_driver_and_current_sense2.2@81.5,121.692
NetC12_U_integrated_driver_and_current_sense3_1: C12_U_integrated_driver_and_current_sense3.1 L2_U_integrated_driver_and_current_sense3.1 U3_U_integrated_driver_and_current_sense3.31 | length 3.2
  Component Side w0.3: C12_U_integrated_driver_and_current_sense3.1@101.5,122.708 102.492,122.708 ; U3_U_integrated_driver_and_current_sense3.31@102.087,118.125 102.088,119.1 102.177,119.19 102.177,119.777 102.55,120.15
NetC12_U_integrated_driver_and_current_sense3_2: C12_U_integrated_driver_and_current_sense3.2 U3_U_integrated_driver_and_current_sense3.33 | length 3.8
  Component Side w0.3: U3_U_integrated_driver_and_current_sense3.33@100.817,118.125 100.818,121.009 C12_U_integrated_driver_and_current_sense3.2@101.5,121.692
NetC12_U_integrated_driver_and_current_sense4_1: C12_U_integrated_driver_and_current_sense4.1 L2_U_integrated_driver_and_current_sense4.1 U3_U_integrated_driver_and_current_sense4.31 | length 3.2
  Component Side w0.3: C12_U_integrated_driver_and_current_sense4.1@121.5,122.708 122.492,122.708 ; U3_U_integrated_driver_and_current_sense4.31@122.087,118.125 122.088,119.1 122.177,119.19 122.177,119.777 122.55,120.15
NetC12_U_integrated_driver_and_current_sense4_2: C12_U_integrated_driver_and_current_sense4.2 U3_U_integrated_driver_and_current_sense4.33 | length 3.8
  Component Side w0.3: U3_U_integrated_driver_and_current_sense4.33@120.817,118.125 120.818,121.009 C12_U_integrated_driver_and_current_sense4.2@121.5,121.692
NetC12_U_integrated_driver_and_current_sense5_1: C12_U_integrated_driver_and_current_sense5.1 L2_U_integrated_driver_and_current_sense5.1 U3_U_integrated_driver_and_current_sense5.31 | length 3.2
  Component Side w0.3: C12_U_integrated_driver_and_current_sense5.1@141.5,122.708 142.492,122.708 ; U3_U_integrated_driver_and_current_sense5.31@142.087,118.125 142.088,119.1 142.177,119.19 142.177,119.777 142.55,120.15
NetC12_U_integrated_driver_and_current_sense5_2: C12_U_integrated_driver_and_current_sense5.2 U3_U_integrated_driver_and_current_sense5.33 | length 3.8
  Component Side w0.3: U3_U_integrated_driver_and_current_sense5.33@140.817,118.125 140.818,121.009 C12_U_integrated_driver_and_current_sense5.2@141.5,121.692
NetC13_U_integrated_driver_and_current_sense1_1: C13_U_integrated_driver_and_current_sense1.1 L3_U_integrated_driver_and_current_sense1.1 U3_U_integrated_driver_and_current_sense1.36 | length 3.2
  Component Side w0.3: 58.45,120.15 58.823,119.777 58.823,119.19 58.913,119.1 U3_U_integrated_driver_and_current_sense1.36@58.913,118.125 ; 58.508,122.708 C13_U_integrated_driver_and_current_sense1.1@59.5,122.708
NetC13_U_integrated_driver_and_current_sense1_2: C13_U_integrated_driver_and_current_sense1.2 U3_U_integrated_driver_and_current_sense1.34 | length 3.8
  Component Side w0.3: C13_U_integrated_driver_and_current_sense1.2@59.5,121.692 60.183,121.009 U3_U_integrated_driver_and_current_sense1.34@60.183,118.125
NetC13_U_integrated_driver_and_current_sense2_1: C13_U_integrated_driver_and_current_sense2.1 L3_U_integrated_driver_and_current_sense2.1 U3_U_integrated_driver_and_current_sense2.36 | length 3.2
  Component Side w0.3: 78.45,120.15 78.823,119.777 78.823,119.19 78.913,119.1 U3_U_integrated_driver_and_current_sense2.36@78.912,118.125 ; 78.508,122.708 C13_U_integrated_driver_and_current_sense2.1@79.5,122.708
NetC13_U_integrated_driver_and_current_sense2_2: C13_U_integrated_driver_and_current_sense2.2 U3_U_integrated_driver_and_current_sense2.34 | length 3.8
  Component Side w0.3: C13_U_integrated_driver_and_current_sense2.2@79.5,121.692 80.183,121.009 U3_U_integrated_driver_and_current_sense2.34@80.182,118.125
NetC13_U_integrated_driver_and_current_sense3_1: C13_U_integrated_driver_and_current_sense3.1 L3_U_integrated_driver_and_current_sense3.1 U3_U_integrated_driver_and_current_sense3.36 | length 3.2
  Component Side w0.3: 98.45,120.15 98.823,119.777 98.823,119.19 98.913,119.1 U3_U_integrated_driver_and_current_sense3.36@98.912,118.125 ; 98.508,122.708 C13_U_integrated_driver_and_current_sense3.1@99.5,122.708
NetC13_U_integrated_driver_and_current_sense3_2: C13_U_integrated_driver_and_current_sense3.2 U3_U_integrated_driver_and_current_sense3.34 | length 3.8
  Component Side w0.3: C13_U_integrated_driver_and_current_sense3.2@99.5,121.692 100.183,121.009 U3_U_integrated_driver_and_current_sense3.34@100.182,118.125
NetC13_U_integrated_driver_and_current_sense4_1: C13_U_integrated_driver_and_current_sense4.1 L3_U_integrated_driver_and_current_sense4.1 U3_U_integrated_driver_and_current_sense4.36 | length 3.2
  Component Side w0.3: 118.45,120.15 118.823,119.777 118.823,119.19 118.913,119.1 U3_U_integrated_driver_and_current_sense4.36@118.912,118.125 ; 118.508,122.708 C13_U_integrated_driver_and_current_sense4.1@119.5,122.708
NetC13_U_integrated_driver_and_current_sense4_2: C13_U_integrated_driver_and_current_sense4.2 U3_U_integrated_driver_and_current_sense4.34 | length 3.8
  Component Side w0.3: C13_U_integrated_driver_and_current_sense4.2@119.5,121.692 120.183,121.009 U3_U_integrated_driver_and_current_sense4.34@120.182,118.125
NetC13_U_integrated_driver_and_current_sense5_1: C13_U_integrated_driver_and_current_sense5.1 L3_U_integrated_driver_and_current_sense5.1 U3_U_integrated_driver_and_current_sense5.36 | length 3.2
  Component Side w0.3: 138.45,120.15 138.823,119.777 138.823,119.19 138.913,119.1 U3_U_integrated_driver_and_current_sense5.36@138.912,118.125 ; 138.508,122.708 C13_U_integrated_driver_and_current_sense5.1@139.5,122.708
NetC13_U_integrated_driver_and_current_sense5_2: C13_U_integrated_driver_and_current_sense5.2 U3_U_integrated_driver_and_current_sense5.34 | length 3.8
  Component Side w0.3: C13_U_integrated_driver_and_current_sense5.2@139.5,121.692 140.183,121.009 U3_U_integrated_driver_and_current_sense5.34@140.182,118.125
NetC14_U_integrated_driver_and_current_sense1_1: C14_U_integrated_driver_and_current_sense1.1 R22_U_integrated_driver_and_current_sense1.1 U3_U_integrated_driver_and_current_sense1.39 U15_U_integrated_driver_and_current_sense1.2 | length 29.3
  Component Side w0.3: U15_U_integrated_driver_and_current_sense1.2@53.525,105.25 53.525,106.414 51.652,108.287 51.652,123.752 53.2,125.3 54.7,125.3 55.2,124.8 R22_U_integrated_driver_and_current_sense1.1@55.2,122.4 54.8,122 C14_U_integrated_driver_and_current_sense1.1@54.8,120.808 ; U3_U_integrated_driver_and_current_sense1.39@57.008,118.125 57.008,119.567
NetC14_U_integrated_driver_and_current_sense1_2: C14_U_integrated_driver_and_current_sense1.2 U3_U_integrated_driver_and_current_sense1.43 | length 1.8
  Component Side w0.3: U3_U_integrated_driver_and_current_sense1.43@54.468,118.125 54.468,119.46 C14_U_integrated_driver_and_current_sense1.2@54.8,119.792
NetC14_U_integrated_driver_and_current_sense2_1: C14_U_integrated_driver_and_current_sense2.1 R22_U_integrated_driver_and_current_sense2.1 U3_U_integrated_driver_and_current_sense2.39 U15_U_integrated_driver_and_current_sense2.2 | length 29.3
  Component Side w0.3: U15_U_integrated_driver_and_current_sense2.2@73.525,105.25 73.525,106.414 71.652,108.287 71.652,123.752 73.2,125.3 74.7,125.3 75.2,124.8 R22_U_integrated_driver_and_current_sense2.1@75.2,122.4 74.8,122 C14_U_integrated_driver_and_current_sense2.1@74.8,120.808 ; U3_U_integrated_driver_and_current_sense2.39@77.007,118.125 77.008,119.567
NetC14_U_integrated_driver_and_current_sense2_2: C14_U_integrated_driver_and_current_sense2.2 U3_U_integrated_driver_and_current_sense2.43 | length 1.8
  Component Side w0.3: U3_U_integrated_driver_and_current_sense2.43@74.467,118.125 74.468,119.46 C14_U_integrated_driver_and_current_sense2.2@74.8,119.792
NetC14_U_integrated_driver_and_current_sense3_1: C14_U_integrated_driver_and_current_sense3.1 R22_U_integrated_driver_and_current_sense3.1 U3_U_integrated_driver_and_current_sense3.39 U15_U_integrated_driver_and_current_sense3.2 | length 29.3
  Component Side w0.3: U15_U_integrated_driver_and_current_sense3.2@93.525,105.25 93.525,106.414 91.652,108.287 91.652,123.752 93.2,125.3 94.7,125.3 95.2,124.8 R22_U_integrated_driver_and_current_sense3.1@95.2,122.4 94.8,122 C14_U_integrated_driver_and_current_sense3.1@94.8,120.808 ; U3_U_integrated_driver_and_current_sense3.39@97.007,118.125 97.008,119.567
NetC14_U_integrated_driver_and_current_sense3_2: C14_U_integrated_driver_and_current_sense3.2 U3_U_integrated_driver_and_current_sense3.43 | length 1.8
  Component Side w0.3: U3_U_integrated_driver_and_current_sense3.43@94.467,118.125 94.468,119.46 C14_U_integrated_driver_and_current_sense3.2@94.8,119.792
NetC14_U_integrated_driver_and_current_sense4_1: C14_U_integrated_driver_and_current_sense4.1 R22_U_integrated_driver_and_current_sense4.1 U3_U_integrated_driver_and_current_sense4.39 U15_U_integrated_driver_and_current_sense4.2 | length 29.3
  Component Side w0.3: U15_U_integrated_driver_and_current_sense4.2@113.525,105.25 113.525,106.414 111.652,108.287 111.652,123.752 113.2,125.3 114.7,125.3 115.2,124.8 R22_U_integrated_driver_and_current_sense4.1@115.2,122.4 114.8,122 C14_U_integrated_driver_and_current_sense4.1@114.8,120.808 ; U3_U_integrated_driver_and_current_sense4.39@117.007,118.125 117.008,119.567
NetC14_U_integrated_driver_and_current_sense4_2: C14_U_integrated_driver_and_current_sense4.2 U3_U_integrated_driver_and_current_sense4.43 | length 1.8
  Component Side w0.3: U3_U_integrated_driver_and_current_sense4.43@114.467,118.125 114.468,119.46 C14_U_integrated_driver_and_current_sense4.2@114.8,119.792
NetC14_U_integrated_driver_and_current_sense5_1: C14_U_integrated_driver_and_current_sense5.1 R22_U_integrated_driver_and_current_sense5.1 U3_U_integrated_driver_and_current_sense5.39 U15_U_integrated_driver_and_current_sense5.2 | length 29.3
  Component Side w0.3: U15_U_integrated_driver_and_current_sense5.2@133.525,105.25 133.525,106.414 131.652,108.287 131.652,123.752 133.2,125.3 134.7,125.3 135.2,124.8 R22_U_integrated_driver_and_current_sense5.1@135.2,122.4 134.8,122 C14_U_integrated_driver_and_current_sense5.1@134.8,120.808 ; U3_U_integrated_driver_and_current_sense5.39@137.007,118.125 137.008,119.567
NetC14_U_integrated_driver_and_current_sense5_2: C14_U_integrated_driver_and_current_sense5.2 U3_U_integrated_driver_and_current_sense5.43 | length 1.8
  Component Side w0.3: U3_U_integrated_driver_and_current_sense5.43@134.467,118.125 134.468,119.46 C14_U_integrated_driver_and_current_sense5.2@134.8,119.792
NetC39_U_integrated_driver_and_current_sense1_2: C39_U_integrated_driver_and_current_sense1.2 pad.0@51.2,95.8 R25_U_integrated_driver_and_current_sense1.1 U14_U_integrated_driver_and_current_sense1.3 | length 6.2
  Component Side w0.25: pad.0@51.2,95.8 52.192,95.8 C39_U_integrated_driver_and_current_sense1.2@52.2,95.808 52.6,95.808 ; U14_U_integrated_driver_and_current_sense1.3@53.2,93.702 53.2,94.3 52.9,94.6 52.9,95.508 52.6,95.808 ; R25_U_integrated_driver_and_current_sense1.1@54.6,96.892 54.069,96.361 53.153,96.361 52.6,95.808
NetC39_U_integrated_driver_and_current_sense2_2: C39_U_integrated_driver_and_current_sense2.2 pad.0@71.2,95.8 R25_U_integrated_driver_and_current_sense2.1 U14_U_integrated_driver_and_current_sense2.3 | length 6.2
  Component Side w0.25: pad.0@71.2,95.8 72.192,95.8 C39_U_integrated_driver_and_current_sense2.2@72.2,95.808 72.6,95.808 ; U14_U_integrated_driver_and_current_sense2.3@73.2,93.702 73.2,94.3 72.9,94.6 72.9,95.508 72.6,95.808 ; R25_U_integrated_driver_and_current_sense2.1@74.6,96.892 74.069,96.361 73.153,96.361 72.6,95.808
NetC39_U_integrated_driver_and_current_sense3_2: C39_U_integrated_driver_and_current_sense3.2 pad.0@91.2,95.8 R25_U_integrated_driver_and_current_sense3.1 U14_U_integrated_driver_and_current_sense3.3 | length 6.2
  Component Side w0.25: pad.0@91.2,95.8 92.192,95.8 C39_U_integrated_driver_and_current_sense3.2@92.2,95.808 92.6,95.808 ; U14_U_integrated_driver_and_current_sense3.3@93.2,93.702 93.2,94.3 92.9,94.6 92.9,95.508 92.6,95.808 ; R25_U_integrated_driver_and_current_sense3.1@94.6,96.892 94.069,96.361 93.153,96.361 92.6,95.808
NetC39_U_integrated_driver_and_current_sense4_2: C39_U_integrated_driver_and_current_sense4.2 pad.0@111.2,95.8 R25_U_integrated_driver_and_current_sense4.1 U14_U_integrated_driver_and_current_sense4.3 | length 6.2
  Component Side w0.25: pad.0@111.2,95.8 112.192,95.8 C39_U_integrated_driver_and_current_sense4.2@112.2,95.808 112.6,95.808 ; U14_U_integrated_driver_and_current_sense4.3@113.2,93.702 113.2,94.3 112.9,94.6 112.9,95.508 112.6,95.808 ; R25_U_integrated_driver_and_current_sense4.1@114.6,96.892 114.069,96.361 113.153,96.361 112.6,95.808
NetC39_U_integrated_driver_and_current_sense5_2: C39_U_integrated_driver_and_current_sense5.2 pad.0@131.2,95.8 R25_U_integrated_driver_and_current_sense5.1 U14_U_integrated_driver_and_current_sense5.3 | length 6.2
  Component Side w0.25: pad.0@131.2,95.8 132.192,95.8 C39_U_integrated_driver_and_current_sense5.2@132.2,95.808 132.6,95.808 ; U14_U_integrated_driver_and_current_sense5.3@133.2,93.702 133.2,94.3 132.9,94.6 132.9,95.508 132.6,95.808 ; R25_U_integrated_driver_and_current_sense5.1@134.6,96.892 134.069,96.361 133.153,96.361 132.6,95.808
NetD1_1: D1.1 Q1.3 U12.8 | length 19.1
  Component Side w0.4: Q1.3@155.257,57.77 155.257,55.632 154.35,54.725 152.775,54.725 152.15,54.1 152.15,47.24 U12.8@153.67,45.72 154.5,44.89 154.5,43.206 D1.1@155.44,42.266